# KiCad board plz actually have soldermask.kicad_pcb (continued)
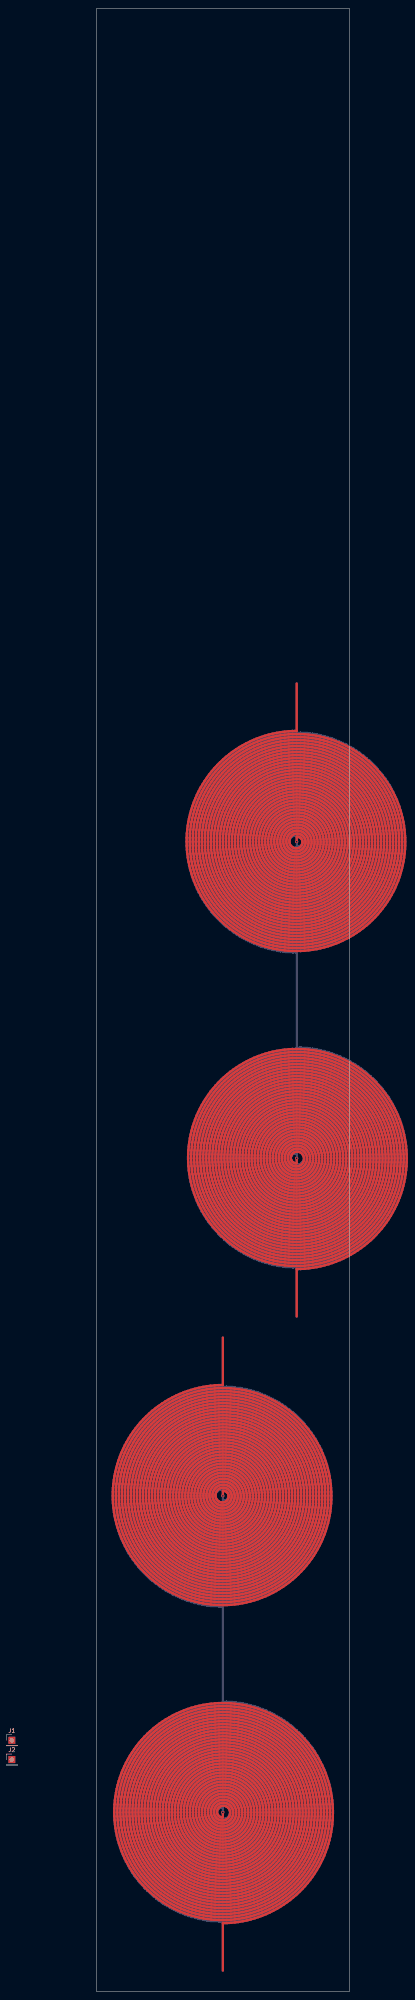
[diagram p0: board, top side]
## Routing (per net, layer and track width the routed paths; a pad name or vN(x,y) marks a point on that pad's centre or on a via; arc(x,y) is an arc through that point) (continued)
44.32,33.12 43.78,32.41 43.21,31.72 42.59,31.07 41.95,30.45 41.27,29.86 40.56,29.31 39.82,28.79 39.06,28.32 38.27,27.88 37.46,27.49 36.64,27.14 35.79,26.84 34.93,26.58 34.06,26.36 33.17,26.19 32.28,26.07 31.38,25.99 30.48,25.96 29.61,25.98 28.74,26.04 27.87,26.14 27.01,26.29 26.16,26.48 25.31,26.72 24.48,26.99 23.67,27.31 22.87,27.67 22.09,28.07 21.34,28.51 20.6,28.99 19.89,29.5 19.21,30.05 18.55,30.63 17.93,31.25 17.34,31.9 16.78,32.57 16.25,33.28 15.77,34.01 15.32,34.76 14.9,35.54 14.53,36.34 14.2,37.15 13.91,37.98 13.66,38.83 13.46,39.68 13.3,40.55 13.18,41.42 13.11,42.3 13.08,43.18 13.09,44.06 13.15,44.94 13.26,45.82 13.41,46.69 13.6,47.55 13.84,48.4 14.12,49.24 14.44,50.06 14.81,50.87 15.21,51.65 15.66,52.42 16.14,53.16 16.66,53.88 17.21,54.57 17.8,55.23 18.43,55.86 19.08,56.46 19.76,57.03 20.47,57.55 21.21,58.05 21.97,58.5 22.76,58.92 23.56,59.3 24.39,59.63 25.23,59.92 26.08,60.17 26.94,60.38 27.82,60.54 28.7,60.66 29.59,60.74 30.48,60.76 31.37,60.75 32.26,60.69 33.15,60.58 34.02,60.43 34.89,60.23 35.75,59.99 36.6,59.71 37.43,59.38 38.25,59.01 39.04,58.61 39.82,58.16 40.57,57.67 41.29,57.15 41.99,56.58 42.66,55.99 43.29,55.36 43.9,54.7 44.47,54.01 45,53.29 45.5,52.54 45.96,51.77 46.38,50.98 46.76,50.17 47.1,49.34 47.4,48.49 47.65,47.63 47.86,46.75 48.02,45.87 48.14,44.98 48.22,44.08 48.25,43.18 48.23,42.28 48.17,41.38 48.06,40.49 47.91,39.6 47.71,38.72 47.47,37.85 47.18,37 46.85,36.16 46.48,35.33 46.07,34.53 45.61,33.75 45.12,32.99 44.59,32.26 44.02,31.55 43.42,30.88 42.78,30.24 42.12,29.62 41.42,29.05 40.69,28.51 39.94,28 39.16,27.54 38.36,27.11 37.54,26.73 36.7,26.39 35.84,26.09 34.97,25.83 34.09,25.62 33.2,25.46 32.29,25.34 31.39,25.26 30.48,25.23 29.6,25.25 28.72,25.31 27.84,25.41 26.97,25.55 26.11,25.74 25.26,25.97 24.42,26.24 23.59,26.56 22.78,26.91 21.99,27.3 21.22,27.73 20.47,28.2 19.74,28.7 19.04,29.24 18.37,29.82 17.72,30.42 17.11,31.06 16.53,31.73 15.98,32.42 15.46,33.15 14.98,33.89 14.54,34.66 14.14,35.45 13.77,36.26 13.45,37.09 13.16,37.93 12.92,38.78 12.72,39.65 12.56,40.52 12.45,41.4 12.38,42.29 12.35,43.18 12.37,44.07 12.43,44.96 12.53,45.84 12.68,46.72 12.87,47.59 13.1,48.45 13.37,49.3 13.69,50.14 14.04,50.95 14.44,51.75 14.88,52.53 15.35,53.29 15.86,54.02 16.4,54.73 16.98,55.41 17.6,56.06 18.24,56.68 18.91,57.27 19.62,57.83 20.34,58.35 21.1,58.83 21.87,59.28 22.67,59.69 23.49,60.06 24.32,60.38 25.17,60.67 26.04,60.92 26.91,61.12 27.8,61.28 28.69,61.39 29.58,61.46 30.48,61.49 31.38,61.48 32.28,61.41 33.17,61.31 34.06,61.16 34.94,60.97 35.81,60.74 36.66,60.46 37.5,60.14 38.33,59.78 39.14,59.38 39.93,58.94 40.69,58.46 41.43,57.95 42.15,57.4 42.83,56.81 43.49,56.19 44.12,55.54 44.71,54.86 45.27,54.15 45.8,53.42 46.29,52.66 46.74,51.87 47.15,51.07 47.52,50.24 47.85,49.4 48.14,48.54 48.39,47.67 48.6,46.78 48.76,45.89 48.87,44.99 48.95,44.09 48.97,43.18 48.96,42.27 48.9,41.37 48.79,40.46 48.64,39.57 48.45,38.68 48.21,37.8 47.93,36.94 47.61,36.09 47.24,35.25 46.84,34.44 46.4,33.64 45.91,32.87 45.39,32.12 44.84,31.4 44.25,30.7 43.62,30.04 42.96,29.41 42.28,28.81 41.56,28.24 40.82,27.71 40.05,27.22 39.26,26.76 38.44,26.34 37.61,25.97 36.76,25.63 35.89,25.34 35.01,25.09 34.12,24.89 33.22,24.72 32.31,24.61 31.4,24.53 30.48,24.5 29.59,24.52 28.7,24.58 27.82,24.68 26.94,24.82 26.07,25 25.21,25.23 24.36,25.5 23.52,25.8 22.7,26.15 21.9,26.53 21.11,26.95 20.35,27.41 19.61,27.91 18.89,28.44 18.2,29 17.53,29.6 16.9,30.23 16.29,30.89 15.72,31.57 15.18,32.28 14.67,33.02 14.2,33.78 13.77,34.56 13.37,35.37 13.01,36.19 12.7,37.03 12.42,37.88 12.18,38.74 11.99,39.62 11.83,40.5 11.72,41.39 11.65,42.28 11.62,43.18 11.64,44.08 11.7,44.97 11.8,45.87 11.94,46.75 12.13,47.63 12.36,48.5 12.62,49.36 12.93,50.2 13.28,51.03 13.67,51.85 14.1,52.64 14.56,53.41 15.06,54.16 15.6,54.88 16.17,55.58 16.77,56.25 17.4,56.9 18.07,57.51 18.76,58.08 19.48,58.63 20.22,59.14 20.99,59.62 21.78,60.05 22.59,60.45 23.42,60.81 24.27,61.13 25.13,61.42 26,61.66 26.88,61.85 27.77,62.01 28.67,62.12 29.57,62.19 30.48,62.22 31.39,62.2 32.29,62.14 33.19,62.04 34.09,61.9 34.97,61.71 35.85,61.48 36.72,61.21 37.57,60.9 38.41,60.54 39.23,60.15 40.03,59.72 40.81,59.25 41.56,58.75 42.3,58.21 43,57.63 43.68,57.02 44.33,56.38 44.94,55.71 45.53,55.01 46.08,54.29 46.59,53.54 47.07,52.76 47.51,51.96 47.92,51.14 48.28,50.31 48.61,49.45 48.89,48.59 49.13,47.7 49.33,46.81 49.49,45.91 49.6,45.01 49.67,44.09 49.7,43.18 49.68,42.27 49.62,41.35 49.52,40.44 49.37,39.54 49.19,38.64 48.95,37.76 48.68,36.88 48.36,36.02 48.01,35.18 47.61,34.35 47.18,33.54 46.7,32.75 46.19,31.99 45.65,31.25 45.07,30.54 44.45,29.86 43.81,29.2 43.13,28.58 42.43,27.99 41.69,27.43 40.93,26.91 40.15,26.43 39.35,25.98 38.52,25.58 37.67,25.21 36.81,24.88 35.94,24.6 35.05,24.35 34.15,24.15 33.24,23.99 32.32,23.88 31.4,23.81 30.48,23.78 29.58,23.79 28.69,23.85 27.8,23.95 26.91,24.09 26.03,24.27 25.16,24.49 24.3,24.75 23.46,25.05 22.62,25.39 21.81,25.76 21.01,26.18 20.23,26.63 19.48,27.12 18.74,27.64 18.03,28.19 17.35,28.78 16.7,29.4 16.07,30.04 15.48,30.72 14.91,31.42 14.38,32.15 13.88,32.9 13.42,33.68 13,34.47 12.61,35.29 12.26,36.12 11.95,36.97 11.67,37.83 11.44,38.7 11.25,39.59 11.1,40.48 10.99,41.37 10.92,42.28 10.9,43.18 10.91,44.08 10.97,44.99 11.07,45.89 11.21,46.78 11.39,47.67 11.61,48.55 11.88,49.42 12.18,50.27 12.52,51.11 12.9,51.93 13.32,52.74 13.78,53.52 14.27,54.29 14.79,55.03 15.35,55.74 15.94,56.43 16.57,57.09 17.22,57.72 17.9,58.32 18.61,58.89 19.35,59.43 20.11,59.93 20.89,60.4 21.69,60.83 22.52,61.22 23.36,61.57 24.21,61.89 25.08,62.16 25.96,62.39 26.85,62.59 27.75,62.74 28.66,62.85 29.57,62.92 30.48,62.95 31.39,62.93 32.3,62.87 33.21,62.77 34.12,62.63 35.01,62.45 35.9,62.22 36.77,61.96 37.64,61.65 38.48,61.31 39.31,60.92 40.13,60.5 40.92,60.04 41.69,59.54 42.44,59.01 43.16,58.45 43.85,57.85 44.52,57.22 45.16,56.56 45.76,55.87 46.34,55.16 46.88,54.41 47.38,53.65 47.85,52.86 48.29,52.05 48.68,51.22 49.04,50.37 49.36,49.51 49.63,48.63 49.87,47.74 50.07,46.84 50.22,45.93 50.33,45.02 50.4,44.1 50.43,43.18 50.41,42.26 50.35,41.34 50.25,40.42 50.11,39.51 49.92,38.61 49.7,37.71 49.43,36.83 49.12,35.96 48.77,35.1 48.38,34.26 47.96,33.44 47.49,32.65 46.99,31.87 46.46,31.11 45.89,30.39 45.28,29.68 44.65,29.01 43.98,28.37 43.29,27.76 42.57,27.18 41.82,26.63 41.04,26.12 40.25,25.65 39.43,25.21 38.59,24.81 37.74,24.45 36.86,24.13 35.98,23.85 35.08,23.61 34.17,23.41 33.26,23.26 32.34,23.15 31.41,23.08 30.48,23.05 29.58,23.07 28.67,23.12 27.78,23.22 26.88,23.35 26,23.53 25.12,23.75 24.25,24 23.39,24.3 22.55,24.63 21.72,25 20.91,25.4 20.12,25.85 19.35,26.32 18.61,26.84 17.88,27.38 17.18,27.96 16.51,28.57 15.86,29.21 15.25,29.87 14.66,30.57 14.11,31.28 13.59,32.03 13.1,32.79 12.64,33.58 12.23,34.39 11.85,35.22 11.5,36.06 11.2,36.91 10.93,37.78 10.7,38.67 10.52,39.56 10.37,40.46 10.26,41.36 10.19,42.27 10.17,43.18 10.18,44.09 10.24,45 10.34,45.91 10.48,46.81 10.65,47.71 10.87,48.59 11.13,49.47 11.43,50.33 11.76,51.18 12.13,52.02 12.54,52.83 12.99,53.63 13.47,54.41 13.99,55.16 14.54,55.89 15.12,56.6 15.74,57.28 16.38,57.93 17.05,58.55 17.75,59.14 18.48,59.7 19.23,60.23 20,60.72 20.8,61.18 21.61,61.6 22.44,61.98 23.29,62.33 24.16,62.63 25.04,62.9 25.93,63.13 26.82,63.32 27.73,63.47 28.64,63.58 29.56,63.65 30.48,63.67 31.4,63.66 32.32,63.6 33.23,63.5 34.14,63.36 35.05,63.18 35.94,62.96 36.82,62.7 37.7,62.4 38.55,62.07 39.39,61.69 40.22,61.28 41.02,60.83 41.81,60.34 42.57,59.82 43.31,59.26 44.02,58.67 44.7,58.06 45.36,57.41 45.99,56.73 46.58,56.02 47.15,55.29 47.68,54.53 48.17,53.75 48.64,52.95 49.06,52.13 49.45,51.29 49.8,50.43 50.11,49.56 50.38,48.67 50.61,47.77 50.8,46.87 50.95,45.95 51.06,45.03 51.13,44.11 51.15,43.18 51.14,42.25 51.08,41.33 50.98,40.4 50.84,39.48 50.66,38.57 50.44,37.67 50.18,36.78 49.87,35.9 49.53,35.04 49.15,34.19 48.74,33.36 48.28,32.54 47.79,31.75 47.26,30.99 46.7,30.24 46.11,29.52 45.49,28.83 44.83,28.17 44.15,27.54 43.43,26.94 42.7,26.37 41.93,25.83 41.15,25.33 40.34,24.86 39.51,24.44 38.66,24.05 37.79,23.69 36.91,23.38 36.02,23.11 35.12,22.87 34.2,22.68 33.28,22.53 32.35,22.42 31.42,22.35 30.48,22.32 29.57,22.34 28.66,22.39 27.76,22.49 26.85,22.62 25.96,22.79 25.07,23.01 24.2,23.26 23.33,23.54 22.48,23.87 21.64,24.23 20.82,24.63 20.02,25.07 19.24,25.53 18.48,26.04 17.74,26.57 17.02,27.14 16.33,27.74 15.67,28.37 15.03,29.03 14.43,29.71 13.85,30.42 13.3,31.15 12.79,31.91 12.31,32.69 11.87,33.49 11.46,34.31 11.09,35.15 10.75,36 10.45,36.86 10.19,37.74 9.97,38.63 9.78,39.53 9.64,40.44 9.53,41.35 9.47,42.26 9.44,43.18 9.46,44.1 9.51,45.01 9.61,45.93 9.74,46.84 9.92,47.74 10.13,48.63 10.38,49.52 10.67,50.39 11,51.25 11.37,52.09 11.77,52.92 12.21,53.73 12.68,54.52 13.19,55.29 13.73,56.03 14.3,56.75 14.91,57.45 15.54,58.12 16.2,58.76 16.89,59.37 17.61,59.95 18.35,60.5 19.11,61.02 19.9,61.5 20.71,61.95 21.53,62.37 22.38,62.74 23.24,63.08 24.11,63.38 25,63.65 25.89,63.87 26.8,64.06 27.71,64.2 28.63,64.31 29.55,64.37 30.48,64.4 31.41,64.38 32.33,64.33 33.25,64.23 34.17,64.1 35.08,63.92 35.98,63.71 36.87,63.45 37.75,63.16 38.62,62.83 39.47,62.46 40.3,62.05 41.12,61.61 41.92,61.13 42.69,60.62 43.44,60.07 44.17,59.5 44.87,58.89 45.55,58.25 46.2,57.58 46.81,56.88 47.4,56.16 47.95,55.41 48.47,54.64 48.96,53.85 49.41,53.04 49.83,52.2 50.21,51.35 50.55,50.49 50.86,49.6 51.12,48.71 51.35,47.81 51.54,46.89 51.68,45.97 51.79,45.04 51.86,44.11 51.88,43.18 51.87,42.25 51.81,41.31 51.71,40.38 51.58,39.46 51.4,38.54 51.18,37.63 50.92,36.73 50.63,35.85 50.29,34.97 49.92,34.11 49.51,33.27 49.07,32.45 48.58,31.65 48.07,30.86 47.52,30.11 46.94,29.37 46.32,28.66 45.68,27.98 45,27.33 44.3,26.71 43.57,26.12 42.82,25.56 42.04,25.03 41.24,24.54 40.42,24.08 39.58,23.66 38.72,23.28 37.85,22.94 36.96,22.63 36.06,22.36 35.15,22.13 34.22,21.94 33.3,21.8 32.36,21.69 31.42,21.62 30.48,21.6 29.56,21.61 28.65,21.66 27.74,21.76 26.83,21.89 25.93,22.06 25.03,22.26 24.15,22.51 23.28,22.79 22.42,23.11 21.57,23.47 20.74,23.86 19.93,24.29 19.13,24.75 18.36,25.24 17.6,25.77 16.87,26.33 16.17,26.92 15.48,27.53 14.83,28.18 14.2,28.86 13.61,29.56 13.04,30.28 12.5,31.03 12,31.8 11.53,32.59 11.09,33.41 10.69,34.24 10.33,35.08 10,35.94 9.7,36.82 9.45,37.7 9.23,38.6 9.05,39.51 8.91,40.42 8.8,41.34 8.74,42.26 8.72,43.18 8.73,44.1 8.78,45.03 8.88,45.95 9.01,46.86 9.18,47.77 9.39,48.67 9.64,49.56 9.92,50.44 10.24,51.31 10.6,52.17 11,53 11.43,53.82 11.89,54.62 12.39,55.41 12.92,56.17 13.49,56.9 14.08,57.61 14.7,58.3 15.36,58.96 16.04,59.59 16.74,60.19 17.47,60.77 18.23,61.31 19.01,61.81 19.81,62.29 20.62,62.73 21.46,63.13 22.31,63.5 23.18,63.84 24.06,64.13 24.96,64.39 25.86,64.61 26.77,64.79 27.69,64.93 28.62,65.04 29.55,65.1 30.48,65.13 31.41,65.11 32.34,65.06 33.27,64.96 34.19,64.83 35.11,64.66 36.02,64.45 36.92,64.2 37.8,63.91 38.68,63.58 39.54,63.22 40.38,62.82 41.21,62.39 42.02,61.92 42.81,61.42 43.57,60.88 44.32,60.32 45.03,59.72 45.73,59.09 46.39,58.43 47.03,57.74 47.64,57.03 48.21,56.29 48.76,55.53 49.27,54.75 49.75,53.94 50.19,53.12 50.6,52.27 50.97,51.41 51.31,50.54 51.61,49.65 51.87,48.75 52.09,47.84 52.27,46.92 52.41,45.99 52.52,45.06 52.58,44.12 52.61,43.18 52.59,42.24 52.54,41.3 52.44,40.37 52.31,39.44 52.14,38.51 51.92,37.6 51.67,36.69 51.38,35.8 51.05,34.91 50.69,34.05 50.29,33.19 49.85,32.36 49.38,31.54 48.87,30.75 48.33,29.98 47.76,29.23 47.15,28.51 46.52,27.81 45.86,27.14 45.16,26.5 44.45,25.88 43.7,25.3 42.93,24.75 42.14,24.24 41.33,23.75 40.5,23.31 39.65,22.9 38.78,22.52 37.9,22.18 37,21.88 36.09,21.62 35.18,21.39 34.25,21.21 33.31,21.07 32.37,20.96 31.43,20.9 30.48,20.87 29.56,20.88 28.64,20.94 27.72,21.03 26.8,21.16 25.9,21.32 25,21.52 24.1,21.77 23.22,22.04 22.35,22.36 21.5,22.71 20.66,23.09 19.83,23.51 19.03,23.96 18.24,24.45 17.47,24.96 16.73,25.51 16.01,26.09 15.31,26.7 14.64,27.34 14,28.01 13.38,28.7 12.79,29.41 12.23,30.15 11.71,30.91 11.21,31.7 10.75,32.5 10.32,33.32 9.93,34.16 9.57,35.02 9.24,35.89 8.96,36.77 8.7,37.67 8.49,38.57 8.31,39.48 8.18,40.4 8.07,41.32 8.01,42.25 7.99,43.18 8,44.11 8.06,45.04 8.15,45.96 8.28,46.89 8.44,47.8 8.65,48.71 8.89,49.61 9.17,50.5 9.49,51.37 9.84,52.23 10.23,53.08 10.65,53.91 11.1,54.73 11.59,55.52 12.12,56.29 12.67,57.04 13.25,57.77 13.87,58.47 14.51,59.15 15.18,59.8 15.88,60.42 16.6,61.01 17.35,61.57 18.12,62.11 18.91,62.6 19.72,63.07 20.54,63.5 21.39,63.9 22.25,64.26 23.13,64.59 24.02,64.88 24.92,65.13 25.83,65.35 26.75,65.53 27.68,65.67 28.61,65.77 29.54,65.83 30.48,65.85 31.42,65.84 32.35,65.79 33.29,65.69 34.22,65.56 35.14,65.39 36.05,65.19 36.96,64.94 37.85,64.66 38.74,64.34 39.61,63.99 40.46,63.6 41.3,63.17 42.12,62.71 42.92,62.22 43.7,61.69 44.45,61.13 45.19,60.54 45.89,59.92 46.58,59.28 47.23,58.6 47.86,57.9 48.46,57.17 49.02,56.42 49.56,55.64 50.06,54.85 50.53,54.03 50.97,53.19 51.37,52.34 51.73,51.47 52.06,50.59 52.35,49.69 52.61,48.78 52.83,47.87 53,46.94 53.15,46.01 53.25,45.07 53.31,44.12 53.34,43.18 53.32,42.24 53.27,41.29 53.17,40.35 53.04,39.42 52.87,38.48 52.66,37.56 52.42,36.65 52.13,35.75 51.81,34.86 51.45,33.98 51.06,33.12 50.63,32.27 50.17,31.45 49.67,30.64 49.14,29.86 48.58,29.1 47.98,28.36 47.36,27.64 46.71,26.95 46.02,26.29 45.32,25.66 44.58,25.06 43.82,24.49 43.04,23.95 42.24,23.44 41.42,22.97 40.57,22.53 39.71,22.13 38.84,21.76 37.95,21.43 37.04,21.13 36.13,20.88 35.2,20.66 34.27,20.48 33.33,20.33 32.38,20.23 31.43,20.17 30.48,20.14 29.55,20.16 28.63,20.21 27.7,20.3 26.78,20.42 25.87,20.59 24.96,20.79 24.06,21.02 23.17,21.29 22.3,21.6 21.43,21.94 20.58,22.32 19.75,22.73 18.93,23.18 18.13,23.65 17.35,24.16 16.6,24.7 15.86,25.27 15.15,25.87 14.46,26.5 13.8,27.16 13.16,27.84 12.56,28.55 11.98,29.28 11.43,30.03 10.91,30.81 10.42,31.6 9.97,32.42 9.55,33.25 9.16,34.1 8.81,34.96 8.49,35.84 8.21,36.73 7.96,37.63 7.75,38.54 7.58,39.46 7.44,40.38 7.35,41.31 7.28,42.25 7.26,43.18 7.28,44.12 7.33,45.05 7.42,45.98 7.54,46.91 7.71,47.83 7.91,48.74 8.15,49.65 8.42,50.54 8.73,51.43 9.08,52.3 9.46,53.16 9.87,54 10.32,54.82 10.8,55.62 11.31,56.41 11.86,57.17 12.43,57.91 13.04,58.63 13.67,59.33 14.33,59.99 15.02,60.63 15.73,61.24 16.47,61.83 17.23,62.38 18.01,62.9 18.81,63.39 19.63,63.85 20.47,64.27 21.33,64.67 22.2,65.02 23.08,65.34 23.98,65.63 24.89,65.87 25.8,66.08 26.73,66.26 27.66,66.4 28.6,66.5 29.54,66.56 30.48,66.58 31.42,66.57 32.36,66.51 33.3,66.42 34.24,66.3 35.17,66.13 36.09,65.93 37,65.69 37.9,65.41 38.79,65.1 39.67,64.75 40.53,64.37 41.38,63.95 42.21,63.5 43.02,63.01 43.81,62.5 44.58,61.95 45.33,61.37 46.05,60.76 46.75,60.12 47.42,59.45 48.07,58.76 48.69,58.04 49.27,57.3 49.83,56.54 50.36,55.75 50.85,54.94 51.31,54.11 51.74,53.27 52.13,52.41 52.49,51.53 52.81,50.64 53.1,49.73 53.35,48.82 53.56,47.89 53.74,46.96 53.88,46.02 53.98,45.08 54.04,44.13 54.06,43.18 54.05,42.23 54,41.28 53.9,40.34 53.78,39.39 53.61,38.46 53.4,37.53 53.16,36.61 52.88,35.7 52.57,34.8 52.22,33.92 51.83,33.05 51.41,32.19 50.96,31.36 50.47,30.54 49.95,29.74 49.39,28.97 48.81,28.22 48.19,27.49 47.55,26.78 46.88,26.11 46.18,25.46 45.46,24.83 44.71,24.24 43.94,23.68 43.15,23.15 42.33,22.65 41.5,22.19 40.65,21.76 39.78,21.36 38.89,21 37.99,20.67 37.08,20.39 36.16,20.13 35.23,19.92 34.29,19.74 33.34,19.6 32.39,19.5 31.44,19.44 30.48,19.42 29.55,19.43 28.61,19.48 27.69,19.57 26.76,19.69 25.84,19.85 24.93,20.05 24.02,20.28 23.13,20.54 22.24,20.85 21.37,21.18 20.51,21.55 19.67,21.96 18.84,22.39 18.03,22.86 17.24,23.36 16.47,23.9 15.72,24.46 14.99,25.05 14.29,25.67 13.61,26.31 12.96,26.98 12.33,27.68 11.74,28.4 11.17,29.15 10.63,29.91 10.12,30.7 9.64,31.51 9.19,32.33 8.78,33.18 8.4,34.03 8.05,34.91 7.74,35.79 7.46,36.69 7.22,37.6 7.02,38.51 6.85,39.44 6.71,40.37 6.62,41.3 6.56,42.24 6.53,43.18 6.55,44.12 6.6,45.06 6.69,46 6.81,46.93 6.97,47.86 7.17,48.78 7.4,49.69 7.67,50.59 7.98,51.48 8.32,52.36 8.69,53.23 9.1,54.08 9.54,54.91 10.01,55.72 10.51,56.52 11.05,57.3 11.61,58.05 12.21,58.78 12.83,59.49 13.48,60.18 14.16,60.83 14.86,61.46 15.59,62.07 16.34,62.64 17.11,63.18 17.91,63.7 18.72,64.18 19.55,64.63 20.4,65.05 21.26,65.43 22.14,65.78 23.04,66.09 23.94,66.37 24.85,66.61 25.78,66.82 26.71,66.99 27.65,67.13 28.59,67.22 29.53,67.28 30.48,67.31 31.43,67.29 32.37,67.24 33.32,67.15 34.26,67.03 35.19,66.87 36.12,66.67 37.04,66.43 37.95,66.16 38.85,65.85 39.73,65.51 40.6,65.14 41.46,64.73 42.3,64.28 43.12,63.81 43.92,63.3 44.7,62.76 45.47,62.19 46.2,61.59 46.92,60.96 47.6,60.3 48.27,59.62 48.9,58.91 49.51,58.18 50.09,57.43 50.64,56.65 51.15,55.85 51.64,55.03 52.09,54.19 52.51,53.34 52.9,52.47 53.25,51.58 53.56,50.68 53.85,49.77 54.09,48.85 54.3,47.92 54.47,46.98 54.61,46.04 54.71,45.09 54.77,44.13 54.79,43.18 54.78,42.23 54.72,41.27 54.63,40.32 54.51,39.37 54.34,38.43 54.14,37.5 53.91,36.57 53.63,35.66 53.33,34.75 52.98,33.86 52.6,32.98 52.19,32.12 51.74,31.27 51.26,30.45 50.75,29.64 50.21,28.85 49.63,28.08 49.03,27.34 48.39,26.62 47.73,25.93 47.05,25.26 46.33,24.62 45.59,24.01 44.83,23.43 44.05,22.87 43.24,22.35 42.42,21.86 41.57,21.41 40.71,20.98 39.83,20.6 38.94,20.24 38.04,19.92 37.12,19.64 36.19,19.39 35.25,19.18 34.31,19.01 33.36,18.87 32.4,18.77 31.44,18.71 30.48,18.69 29.54,18.7 28.6,18.75 27.67,18.84 26.74,18.96 25.81,19.12 24.89,19.31 23.98,19.53 23.08,19.8 22.19,20.09 21.31,20.42 20.44,20.79 19.59,21.18 18.75,21.61 17.93,22.07 17.13,22.57 16.35,23.09 15.59,23.64 14.85,24.22 14.13,24.83 13.44,25.47 12.77,26.13 12.12,26.82 11.51,27.53 10.92,28.27 10.36,29.03 9.83,29.8 9.33,30.6 8.86,31.42 8.42,32.26 8.01,33.11 7.64,33.97 7.3,34.85 6.99,35.75 6.72,36.65 6.48,37.56 6.28,38.49 6.11,39.42 5.98,40.35 5.89,41.29 5.83,42.24 5.81,43.18 5.82,44.13 5.87,45.07 5.96,46.01 6.08,46.95 6.24,47.88 6.43,48.81 6.66,49.73 6.92,50.63 7.22,51.53 7.55,52.42 7.92,53.29 8.32,54.15 8.75,54.99 9.22,55.82 9.71,56.63 10.24,57.42 10.8,58.18 11.38,58.93 12,59.65 12.64,60.35 13.31,61.02 14,61.67 14.72,62.29 15.46,62.89 16.22,63.45 17.01,63.99 17.81,64.49 18.63,64.96 19.48,65.41 20.33,65.82 21.21,66.19 22.09,66.53 22.99,66.84 23.9,67.12 24.82,67.35 25.75,67.56 26.69,67.73 27.63,67.86 28.58,67.95 29.53,68.01 30.48,68.03 31.43,68.02 32.38,67.97 33.33,67.88 34.28,67.76 35.22,67.6 36.15,67.41 37.07,67.18 37.99,66.91 38.89,66.61 39.79,66.27 40.67,65.9 41.53,65.5 42.38,65.07 43.21,64.6 44.03,64.1 44.82,63.57 45.59,63.01 46.34,62.42 47.07,61.8 47.78,61.15 48.46,60.48 49.11,59.78 49.73,59.06 50.33,58.31 50.9,57.54 51.44,56.75 51.95,55.94 52.42,55.11 52.87,54.27 53.28,53.4 53.66,52.52 54.01,51.63 54.32,50.72 54.59,49.81 54.83,48.88 55.04,47.94 55.21,47 55.34,46.05 55.43,45.1 55.49,44.14 55.52,43.18 55.5,42.22 55.45,41.26 55.36,40.31 55.24,39.36 55.08,38.41 54.88,37.47 54.65,36.54 54.38,35.62 54.08,34.7 53.74,33.8 53.37,32.92 52.96,32.05 52.53,31.19 52.05,30.35 51.55,29.53 51.02,28.74 50.45,27.96 49.86,27.2 49.23,26.47 48.58,25.76 47.91,25.07 47.2,24.42 46.47,23.79 45.72,23.18 44.95,22.61 44.15,22.07 43.34,21.56 42.5,21.08 41.65,20.63 40.78,20.21 39.89,19.83 38.99,19.48 38.08,19.17 37.15,18.89 36.22,18.65 35.28,18.45 34.33,18.28 33.37,18.14 32.41,18.04 31.45,17.98 30.48,17.96 29.54,17.98 28.59,18.02 27.66,18.11 26.72,18.23 25.79,18.38 24.86,18.57 23.95,18.79 23.04,19.05 22.14,19.34 21.25,19.66 20.38,20.02 19.52,20.41 18.67,20.83 17.84,21.29 17.03,21.77 16.24,22.29 15.46,22.83 14.71,23.4 13.98,24 13.27,24.63 12.58,25.28 11.92,25.96 11.29,26.67 10.68,27.39 10.1,28.14 9.55,28.91 9.03,29.7 8.54,30.51 8.07,31.34 7.64,32.18 7.24,33.04 6.88,33.92 6.54,34.8 6.24,35.7 5.97,36.61 5.74,37.53 5.54,38.46 5.38,39.4 5.25,40.34 5.16,41.28 5.1,42.23 5.08,43.18 5.09,44.13 5.14,45.08 5.23,46.03 5.35,46.97 5.5,47.91 5.69,48.84 5.92,49.76 6.18,50.68 6.47,51.58 6.8,52.48 7.16,53.36 7.55,54.22 7.97,55.07 8.43,55.91 8.92,56.73 9.44,57.53 9.98,58.31 10.56,59.07 11.17,59.8 11.8,60.52 12.46,61.2 13.14,61.87 13.85,62.51 14.58,63.12 15.33,63.7 16.11,64.26 16.9,64.79 17.72,65.28 18.55,65.75 19.4,66.18 20.27,66.58 21.15,66.95 22.04,67.29 22.95,67.59 23.87,67.86 24.79,68.09 25.73,68.29 26.67,68.46 27.62,68.59 28.57,68.68 29.52,68.74 30.48,68.76 31.44,68.75 32.39,68.7 33.35,68.61 34.3,68.49 35.24,68.34 36.18,68.15 37.11,67.92 38.03,67.66 38.94,67.36 39.84,67.03 40.73,66.67 41.6,66.27 42.46,65.85 43.3,65.39 44.12,64.9 44.93,64.37 45.71,63.82 46.48,63.24 47.22,62.63 47.94,62 48.63,61.33 49.3,60.64 49.95,59.93 50.56,59.19 51.15,58.44 51.71,57.65 52.24,56.85 52.74,56.03 53.21,55.19 53.65,54.34 54.05,53.46 54.42,52.58 54.76,51.68 55.07,50.76 55.34,49.84 55.57,48.91 55.77,47.97 55.94,47.02 56.07,46.06 56.16,45.1 56.22,44.14 56.24,43.18 56.23,42.22 56.18,41.25 56.09,40.29 55.97,39.34 55.82,38.39 55.62,37.44 55.39,36.5 55.13,35.58 54.83,34.66 54.5,33.75 54.14,32.86 53.74,31.98 53.31,31.12 52.84,30.27 52.35,29.44 51.82,28.63 51.27,27.84 50.68,27.07 50.07,26.32 49.43,25.6 48.76,24.9 48.07,24.22 47.35,23.58 46.61,22.96 45.84,22.36 45.06,21.8 44.25,21.27 43.42,20.76 42.58,20.29 41.71,19.85 40.84,19.44 39.94,19.07 39.04,18.73 38.12,18.42 37.19,18.15 36.25,17.91 35.3,17.71 34.34,17.54 33.38,17.41 32.42,17.32 31.45,17.26 30.48,17.23 29.53,17.25 28.59,17.3 27.64,17.38 26.7,17.49 25.76,17.65 24.83,17.83 23.91,18.05 23,18.3 22.09,18.59 21.2,18.91 20.31,19.26 19.45,19.64 18.59,20.06 17.75,20.5 16.93,20.98 16.13,21.49 15.34,22.02 14.58,22.58 13.83,23.18 13.11,23.79 12.41,24.44 11.74,25.11 11.08,25.8 10.46,26.52 9.86,27.26 9.29,28.02 8.75,28.8 8.23,29.6 7.75,30.42 7.29,31.26 6.87,32.11 6.48,32.98 6.12,33.86 5.79,34.76 5.49,35.66 5.23,36.58 5,37.5 4.81,38.44 4.65,39.38 4.52,40.32 4.43,41.27 4.37,42.23 4.35,43.18 4.37,44.13 4.41,45.09 4.5,46.04 4.61,46.99 4.77,47.93 4.95,48.87 5.17,49.8 5.43,50.72 5.72,51.63 6.04,52.53 6.39,53.42 6.78,54.29 7.2,55.15 7.64,56 8.12,56.82 8.63,57.63 9.17,58.42 9.74,59.19 10.34,59.94 10.96,60.67 11.61,61.38 12.28,62.06 12.98,62.71 13.7,63.34 14.45,63.94 15.21,64.52 16,65.06 16.81,65.58 17.63,66.07 18.48,66.53 19.33,66.96 20.21,67.35 21.1,67.71 22,68.04 22.91,68.34 23.83,68.6 24.77,68.83 25.71,69.03 26.65,69.19 27.6,69.32 28.56,69.41 29.52,69.47 30.48,69.49 31.44,69.48 32.4,69.43 33.36,69.34 34.31,69.22 35.26,69.07 36.21,68.88 37.14,68.66 38.07,68.41 38.99,68.12 39.89,67.79 40.79,67.44 41.67,67.05 42.53,66.63 43.38,66.17 44.22,65.69 45.03,65.18 45.83,64.63 46.61,64.06 47.36,63.46 48.09,62.84 48.8,62.18 49.49,61.5 50.15,60.8 50.78,60.07 51.39,59.32 51.97,58.55 52.52,57.76 53.04,56.95 53.53,56.12 53.99,55.27 54.42,54.4 54.82,53.52 55.18,52.63 55.52,51.72 55.81,50.8 56.08,49.87 56.31,48.93 56.51,47.99 56.67,47.03 56.8,46.08 56.89,45.11 56.95,44.15 56.97,43.18 56.96,42.21 56.91,41.25 56.82,40.28 56.7,39.32 56.55,38.36 56.36,37.41 56.14,36.47 55.88,35.54 55.59,34.61 55.26,33.7 54.9,32.8 54.51,31.91 54.09,31.04 53.63,30.19 53.15,29.35 52.63,28.53 52.08,27.72 51.51,26.94 50.9,26.18 50.27,25.45 49.61,24.73 48.93,24.04 48.22,23.38 47.49,22.74 46.73,22.13 45.96,21.55 45.16,20.99 44.34,20.47 43.5,19.97 42.65,19.51 41.78,19.08 40.89,18.68 39.99,18.31 39.08,17.97 38.15,17.67 37.22,17.4 36.27,17.17 35.32,16.97 34.36,16.81 33.4,16.68 32.43,16.59 31.45,16.53 30.48,16.51 30.48,5.08 ; v1(30.48,119.38) 30.48,120.61 30.7,120.61 30.91,120.57 31.12,120.5 31.32,120.38 31.5,120.23 31.65,120.05 31.77,119.85 31.85,119.62 31.89,119.38 31.89,119.13 31.84,118.88 31.75,118.65 31.62,118.42 31.45,118.22 31.24,118.06 31.01,117.92 30.75,117.83 30.48,117.79 30.2,117.79 29.92,117.85 29.65,117.95 29.41,118.1 29.18,118.29 29,118.52 28.85,118.79 28.75,119.08 28.71,119.38 28.71,119.69 28.78,120 28.89,120.3 29.06,120.57 29.28,120.81 29.53,121.02 29.83,121.18 30.14,121.28 30.48,121.33 30.79,121.33 31.1,121.27 31.39,121.17 31.67,121.02 31.93,120.83 32.15,120.59 32.33,120.32 32.48,120.03 32.57,119.71 32.62,119.38 32.61,119.04 32.55,118.71 32.43,118.39 32.27,118.08 32.05,117.81 31.8,117.56 31.51,117.36 31.18,117.21 30.84,117.11 30.48,117.06 30.11,117.07 29.75,117.14 29.4,117.27 29.08,117.45 28.78,117.68 28.52,117.95 28.3,118.27 28.14,118.62 28.03,118.99 27.98,119.38 27.99,119.77 28.07,120.16 28.2,120.54 28.4,120.89 28.65,121.21 28.95,121.49 29.29,121.72 29.66,121.9 30.06,122.01 30.48,122.06 30.86,122.05 31.24,121.98 31.61,121.86 31.97,121.69 32.29,121.47 32.58,121.2 32.83,120.89 33.04,120.55 33.2,120.18 33.3,119.79 33.34,119.38 33.33,118.97 33.26,118.56 33.13,118.17 32.94,117.8 32.71,117.45 32.42,117.14 32.09,116.87 31.72,116.66 31.33,116.49 30.91,116.38 30.48,116.34 30.04,116.35 29.61,116.43 29.19,116.57 28.8,116.76 28.43,117.02 28.1,117.32 27.82,117.67 27.59,118.06 27.42,118.48 27.3,118.92 27.25,119.38 27.27,119.84 27.35,120.3 27.5,120.74 27.71,121.16 27.98,121.55 28.3,121.89 28.67,122.19 29.08,122.43 29.53,122.62 30,122.74 30.48,122.79 30.93,122.77 31.37,122.7 31.8,122.57 32.21,122.38 32.6,122.14 32.95,121.85 33.27,121.52 33.54,121.14 33.75,120.74 33.92,120.3 34.02,119.85 34.07,119.38 34.05,118.91 33.98,118.44 33.84,117.99 33.64,117.55 33.39,117.15 33.08,116.78 32.73,116.45 32.34,116.17 31.91,115.94 31.45,115.77 30.97,115.66 30.48,115.61 29.99,115.63 29.5,115.71 29.02,115.85 28.56,116.06 28.14,116.33 27.75,116.65 27.4,117.02 27.11,117.43 26.87,117.88 26.69,118.36 26.58,118.87 26.53,119.38 26.55,119.9 26.63,120.41 26.79,120.91 27,121.39 27.28,121.83 27.62,122.24 28.01,122.6 28.44,122.91 28.91,123.16 29.42,123.34 29.94,123.46 30.48,123.52 30.98,123.5 31.48,123.42 31.96,123.29 32.43,123.09 32.87,122.84 33.28,122.54 33.65,122.19 33.98,121.79 34.25,121.36 34.48,120.9 34.64,120.41 34.75,119.9 34.8,119.38 34.78,118.86 34.7,118.34 34.56,117.83 34.35,117.35 34.09,116.89 33.77,116.46 33.41,116.08 33,115.74 32.54,115.45 32.06,115.21 31.55,115.04 31.02,114.93 30.48,114.88 29.94,114.9 29.4,114.99 28.87,115.13 28.36,115.35 27.88,115.62 27.44,115.95 27.04,116.33 26.69,116.76 26.39,117.23 26.14,117.74 25.96,118.27 25.85,118.82 25.8,119.38 25.82,119.95 25.91,120.51 26.06,121.05 26.29,121.58 26.57,122.08 26.91,122.54 27.31,122.96 27.76,123.32 28.25,123.64 28.77,123.89 29.32,124.07 29.9,124.19 30.48,124.24 31.03,124.22 31.57,124.15 32.1,124.01 32.61,123.81 33.1,123.55 33.56,123.24 33.98,122.88 34.36,122.48 34.7,122.03 34.98,121.55 35.2,121.03 35.37,120.5 35.48,119.94 35.52,119.38 35.5,118.81 35.42,118.25 35.28,117.7 35.07,117.17 34.81,116.66 34.48,116.19 34.11,115.75 33.69,115.36 33.23,115.01 32.72,114.72 32.19,114.48 31.64,114.31 31.06,114.2 30.48,114.15 29.89,114.17 29.31,114.26 28.74,114.41 28.19,114.63 27.67,114.9 27.17,115.23 26.72,115.62 26.31,116.06 25.96,116.54 25.66,117.06 25.41,117.61 25.23,118.18 25.12,118.78 25.07,119.38 25.09,119.99 25.18,120.59 25.34,121.18 25.56,121.75 25.85,122.29 26.19,122.8 26.59,123.27 27.04,123.69 27.54,124.06 28.08,124.37 28.65,124.62 29.24,124.8 29.86,124.92 30.48,124.97 31.07,124.95 31.65,124.87 32.22,124.73 32.77,124.53 33.3,124.27 33.81,123.96 34.28,123.6 34.71,123.18 35.09,122.73 35.43,122.24 35.71,121.71 35.93,121.15 36.1,120.57 36.21,119.98 36.25,119.38 36.23,118.78 36.15,118.18 36,117.59 35.8,117.01 35.53,116.46 35.21,115.95 34.83,115.46 34.41,115.02 33.94,114.62 33.43,114.28 32.88,113.99 32.31,113.75 31.71,113.58 31.1,113.47 30.48,113.43 29.86,113.45 29.24,113.53 28.63,113.68 28.04,113.9 27.47,114.17 26.94,114.51 26.44,114.89 25.98,115.33 25.58,115.82 25.22,116.34 24.92,116.9 24.68,117.5 24.5,118.11 24.39,118.74 24.35,119.38 24.37,120.02 24.46,120.66 24.61,121.29 24.83,121.89 25.12,122.48 25.46,123.03 25.86,123.54 26.31,124.01 26.81,124.43 27.35,124.8 27.93,125.11 28.54,125.35 29.17,125.53 29.82,125.65 30.48,125.7 31.1,125.68 31.72,125.6 32.32,125.46 32.91,125.26 33.48,125 34.03,124.69 34.54,124.32 35.01,123.91 35.44,123.45 35.83,122.95 36.16,122.42 36.44,121.85 36.67,121.26 36.83,120.64 36.94,120.02 36.98,119.38 36.96,118.74 36.88,118.11 36.73,117.48 36.53,116.88 36.26,116.29 35.94,115.73 35.56,115.21 35.14,114.72 34.67,114.28 34.15,113.88 33.6,113.54 33.02,113.25 32.41,113.02 31.78,112.85 31.13,112.74 30.48,112.7 29.82,112.72 29.17,112.81 28.53,112.96 27.91,113.17 27.3,113.44 26.73,113.77 26.19,114.16 25.69,114.59 25.24,115.08 24.83,115.61 24.48,116.17 24.18,116.77 23.95,117.4 23.77,118.05 23.66,118.71 23.62,119.38 23.64,120.05 23.73,120.72 23.88,121.38 24.1,122.02 24.38,122.64 24.72,123.23 25.11,123.78 25.56,124.3 26.06,124.76 26.6,125.18 27.19,125.54 27.8,125.84 28.45,126.09 29.11,126.27 29.79,126.38 30.48,126.42 31.13,126.4 31.78,126.32 32.42,126.18 33.04,125.99 33.64,125.73 34.22,125.42 34.77,125.06 35.28,124.65 35.76,124.19 36.19,123.69 36.57,123.15 36.9,122.58 37.18,121.97 37.4,121.35 37.56,120.7 37.66,120.05 37.7,119.38 37.68,118.71 37.6,118.05 37.46,117.39 37.26,116.75 37,116.14 36.68,115.54 36.31,114.98 35.88,114.46 35.41,113.97 34.9,113.53 34.35,113.14 33.76,112.8 33.14,112.51 32.5,112.29 31.84,112.12 31.16,112.02 30.48,111.97 29.8,111.99 29.12,112.08 28.44,112.23 27.79,112.43 27.15,112.7 26.55,113.03 25.97,113.41 25.43,113.84 24.94,114.33 24.48,114.85 24.08,115.42 23.74,116.02 23.44,116.65 23.21,117.31 23.04,117.99 22.93,118.68 22.89,119.38 22.91,120.08 23,120.78 23.15,121.47 23.36,122.14 23.64,122.79 23.97,123.41 24.36,124 24.81,124.55 25.3,125.06 25.84,125.52 26.42,125.93 27.04,126.29 27.69,126.59 28.36,126.82 29.06,127 29.76,127.11 30.48,127.15 31.16,127.13 31.83,127.05 32.5,126.91 33.15,126.72 33.79,126.47 34.4,126.16 34.98,125.8 35.53,125.39 36.04,124.94 36.51,124.44 36.94,123.9 37.31,123.33 37.64,122.72 37.91,122.09 38.13,121.43 38.29,120.76 38.39,120.07 38.43,119.38 38.41,118.69 38.33,118 38.19,117.31 37.99,116.65 37.73,116 37.42,115.37 37.05,114.78 36.63,114.22 36.17,113.69 35.66,113.21 35.1,112.78 34.52,112.39 33.9,112.05 33.25,111.77 32.58,111.55 31.89,111.39 31.19,111.29 30.48,111.25 29.77,111.27 29.06,111.35 28.37,111.49 27.68,111.7 27.02,111.96 26.38,112.28 25.77,112.66 25.2,113.09 24.66,113.56 24.17,114.09 23.73,114.65 23.33,115.25 22.99,115.89 22.7,116.55 22.48,117.24 22.31,117.94 22.21,118.66 22.16,119.38 22.19,120.11 22.27,120.83 22.42,121.54 22.63,122.24 22.9,122.92 23.23,123.57 23.61,124.19 24.05,124.78 24.54,125.32 25.07,125.83 25.65,126.28 26.26,126.69 26.91,127.04 27.59,127.33 28.29,127.56 29.01,127.73 29.74,127.83 30.48,127.88 31.18,127.86 31.88,127.78 32.57,127.64 33.25,127.45 33.91,127.21 34.55,126.9 35.16,126.55 35.75,126.15 36.29,125.69 36.8,125.2 37.27,124.66 37.69,124.09 38.06,123.48 38.38,122.85 38.65,122.19 38.87,121.5 39.02,120.81 39.12,120.1 39.16,119.38 39.14,118.66 39.06,117.95 38.92,117.24 38.72,116.55 38.47,115.87 38.16,115.22 37.8,114.6 37.39,114 36.93,113.44 36.42,112.92 35.88,112.45 35.29,112.02 34.67,111.64 34.02,111.31 33.34,111.04 32.65,110.82 31.94,110.66 31.21,110.56 30.48,110.52 29.75,110.54 29.02,110.62 28.3,110.76 27.59,110.96 26.9,111.22 26.24,111.54 25.6,111.91 24.99,112.33 24.42,112.8 23.89,113.31 23.4,113.87 22.97,114.47 22.58,115.1 22.24,115.77 21.96,116.46 21.74,117.17 21.58,117.89 21.48,118.63 21.44,119.38 21.46,120.13 21.54,120.87 21.69,121.61 21.89,122.33 22.16,123.03 22.48,123.71 22.85,124.36 23.28,124.98 23.76,125.56 24.29,126.1 24.86,126.6 25.47,127.05 26.12,127.44 26.79,127.78 27.5,128.07 28.22,128.29 28.96,128.46 29.72,128.56 30.48,128.6 31.2,128.58 31.93,128.51 32.64,128.38 33.34,128.19 34.03,127.94 34.69,127.65 35.33,127.3 35.94,126.9 36.52,126.46 37.07,125.97 37.57,125.44 38.03,124.87 38.45,124.26 38.81,123.63 39.13,122.96 39.39,122.28 39.6,121.57 39.75,120.85 39.85,120.12 39.89,119.38 39.87,118.64 39.79,117.91 39.65,117.18 39.46,116.46 39.21,115.76 38.91,115.09 38.55,114.43 38.15,113.81 37.69,113.22 37.2,112.66 36.65,112.15 36.07,111.68 35.46,111.26 34.81,110.89 34.13,110.56 33.43,110.3 32.71,110.08 31.98,109.93 31.23,109.83 30.48,109.79 29.73,109.81 28.98,109.89 28.24,110.03 27.51,110.23 26.79,110.48 26.1,110.79 25.44,111.15 24.8,111.56 24.2,112.03 23.64,112.54 23.11,113.09 22.64,113.68 22.2,114.31 21.82,114.97 21.5,115.66 21.22,116.37 21.01,117.11 20.85,117.85 20.75,118.61 20.71,119.38 20.73,120.15 20.81,120.91 20.95,121.67 21.15,122.41 21.41,123.14 21.73,123.84 22.1,124.52 22.52,125.16 22.99,125.78 23.51,126.35 24.07,126.88 24.67,127.37 25.31,127.81 25.99,128.2 26.69,128.53 27.42,128.81 28.16,129.03 28.93,129.19 29.7,129.29 30.48,129.33 31.22,129.31 31.97,129.24 32.7,129.11 33.42,128.92 34.13,128.68 34.82,128.39 35.49,128.05 36.12,127.66 36.73,127.22 37.31,126.74 37.84,126.21 38.34,125.65 38.79,125.05 39.2,124.42 39.56,123.75 39.87,123.07 40.13,122.36 40.33,121.63 40.48,120.89 40.58,120.14 40.61,119.38 40.59,118.62 40.52,117.87 40.38,117.12 40.2,116.38 39.95,115.66 39.66,114.96 39.31,114.28 38.91,113.63 38.46,113.01 37.97,112.43 37.44,111.88 36.86,111.38 36.25,110.91 35.61,110.5 34.93,110.13 34.23,109.82 33.51,109.56 32.77,109.35 32.01,109.2 31.25,109.1 30.48,109.07 29.71,109.09 28.94,109.16 28.18,109.3 27.43,109.49 26.7,109.74 25.98,110.04 25.29,110.39 24.63,110.8 24,111.25 23.41,111.76 22.85,112.3 22.33,112.88 21.86,113.51 21.44,114.16 21.07,114.85 20.75,115.56 20.48,116.3 20.27,117.05 20.12,117.82 20.02,118.6 19.98,119.38 20,120.17 20.08,120.95 20.22,121.72 20.42,122.48 20.67,123.23 20.98,123.96 21.34,124.66 21.75,125.33 22.21,125.97 22.72,126.58 23.28,127.14 23.87,127.67 24.5,128.15 25.17,128.57 25.87,128.95 26.59,129.28 27.34,129.55 28.11,129.76 28.89,129.92 29.68,130.02 30.48,130.06 31.24,130.04 32,129.97 32.76,129.84 33.5,129.66 34.23,129.42 34.94,129.14 35.63,128.8 36.29,128.42 36.92,127.99 37.53,127.51 38.09,126.99 38.62,126.44 39.11,125.84 39.56,125.22 39.96,124.56 40.31,123.87 40.62,123.16 40.87,122.43 41.07,121.68 41.21,120.92 41.3,120.15 41.34,119.38 41.32,118.6 41.25,117.83 41.12,117.07 40.93,116.31 40.69,115.57 40.4,114.85 40.06,114.15 39.67,113.47 39.23,112.83 38.75,112.21 38.22,111.64 37.66,111.1 37.05,110.6 36.41,110.15 35.74,109.74 35.05,109.38 34.32,109.07 33.58,108.82 32.82,108.62 32.05,108.47 31.27,108.37 30.48,108.34 29.69,108.36 28.91,108.43 28.13,108.57 27.36,108.75 26.61,109 25.87,109.29 25.16,109.64 24.47,110.04 23.82,110.48 23.2,110.97 22.61,111.51 22.06,112.08 21.55,112.7 21.09,113.35 20.68,114.03 20.32,114.74 20,115.47 19.74,116.23 19.54,117 19.39,117.79 19.29,118.58 19.26,119.38 19.28,120.18 19.35,120.98 19.49,121.77 19.68,122.55 19.93,123.32 20.23,124.06 20.58,124.79 20.98,125.48 21.44,126.15 21.94,126.78 22.48,127.38 23.07,127.94 23.69,128.45 24.35,128.92 25.04,129.34 25.76,129.71 26.51,130.03 27.28,130.29 28.06,130.5 28.86,130.65 29.67,130.75 30.48,130.78 31.26,130.77 32.04,130.69 32.81,130.57 33.57,130.39 34.31,130.16 35.04,129.88 35.75,129.56 36.44,129.18 37.1,128.76 37.73,128.29 38.32,127.78 38.88,127.23 39.41,126.64 39.89,126.02 40.33,125.37 40.72,124.69 41.06,123.98 41.36,123.25 41.61,122.5 41.8,121.73 41.94,120.96 42.03,120.17 42.07,119.38 42.05,118.59 41.97,117.8 41.85,117.02 41.67,116.25 41.43,115.49 41.15,114.74 40.82,114.02 40.43,113.33 40,112.66 39.53,112.02 39.01,111.41 38.45,110.84 37.86,110.31 37.23,109.82 36.56,109.38 35.87,108.98 35.15,108.63 34.41,108.33 33.65,108.08 32.87,107.88 32.08,107.74 31.28,107.65 30.48,107.61 29.68,107.63 28.88,107.71 28.08,107.83 27.3,108.02 26.53,108.25 25.77,108.54 25.04,108.88 24.33,109.27 23.65,109.71 23,110.19 22.39,110.72 21.81,111.28 21.27,111.89 20.78,112.53 20.32,113.2 19.92,113.91 19.56,114.64 19.26,115.39 19,116.16 18.8,116.95 18.66,117.75 18.57,118.57 18.53,119.38 18.55,120.2 18.63,121.01 18.76,121.82 18.94,122.61 19.18,123.4 19.48,124.16 19.82,124.9 20.22,125.62 20.66,126.31 21.15,126.97 21.68,127.6 22.26,128.18 22.87,128.73 23.52,129.23 24.21,129.69 24.92,130.1 25.67,130.46 26.43,130.77 27.22,131.03 28.02,131.24 28.83,131.38 29.65,131.48 30.48,131.51 31.27,131.49 32.07,131.42 32.85,131.3 33.63,131.13 34.39,130.9 35.14,130.63 35.87,130.31 36.58,129.94 37.26,129.52 37.91,129.07 38.53,128.56 39.12,128.02 39.68,127.44 40.19,126.83 40.66,126.18 41.09,125.51 41.48,124.8 41.81,124.07 42.1,123.33 42.34,122.56 42.53,121.78 42.67,120.99 42.76,120.18 42.79,119.38 42.77,118.57 42.7,117.77 42.58,116.97 42.4,116.19 42.18,115.41 41.9,114.65 41.57,113.91 41.2,113.19 40.78,112.5 40.31,111.84 39.8,111.21 39.25,110.61 38.66,110.05 38.04,109.53 37.38,109.05 36.7,108.61 35.98,108.22 35.24,107.88 34.48,107.58 33.71,107.34 32.91,107.15 32.11,107.01 31.3,106.92 30.48,106.88 29.66,106.9 28.85,106.98 28.04,107.1 27.24,107.28 26.45,107.51 25.68,107.79 24.93,108.13 24.2,108.51 23.5,108.93 22.83,109.41 22.19,109.92 21.58,110.48 21.01,111.08 20.48,111.71 20,112.37 19.55,113.07 19.16,113.8 18.81,114.55 18.51,115.32 18.26,116.11 18.07,116.91 17.93,117.73 17.84,118.55 17.8,119.38 17.82,120.21 17.9,121.04 18.02,121.86 18.21,122.67 18.44,123.47 18.73,124.25 19.06,125.01 19.45,125.75 19.88,126.46 20.36,127.14 20.89,127.79 21.45,128.41 22.06,128.99 22.7,129.52 23.37,130.02 24.08,130.46 24.82,130.87 25.58,131.22 26.36,131.52 27.16,131.77 27.98,131.97 28.8,132.11 29.64,132.2 30.48,132.24 31.29,132.22 32.09,132.15 32.89,132.03 33.69,131.86 34.46,131.64 35.23,131.38 35.98,131.06 36.7,130.7 37.41,130.29 38.08,129.84 38.73,129.35 39.34,128.82 39.92,128.25 40.47,127.64 40.97,127 41.44,126.33 41.86,125.63 42.23,124.91 42.56,124.16 42.85,123.4 43.08,122.62 43.27,121.82 43.4,121.01 43.49,120.2 43.52,119.38 43.5,118.56 43.43,117.74 43.31,116.93 43.14,116.13 42.92,115.34 42.65,114.56 42.33,113.81 41.96,113.07 41.55,112.36 41.09,111.67 40.59,111.02 40.05,110.39 39.47,109.8 38.86,109.25 38.21,108.74 37.53,108.27 36.82,107.84 36.09,107.46 35.33,107.13 34.55,106.84 33.76,106.6 32.95,106.41 32.14,106.28 31.31,106.19 30.48,106.16 29.65,106.18 28.82,106.25 28,106.37 27.18,106.54 26.38,106.77 25.6,107.05 24.83,107.37 24.08,107.74 23.36,108.16 22.67,108.62 22,109.13 21.37,109.68 20.77,110.26 20.21,110.89 19.69,111.54 19.22,112.23 18.78,112.95 18.4,113.69 18.06,114.46 17.77,115.25 17.53,116.05 17.33,116.87 17.2,117.7 17.11,118.54 17.08,119.38 17.09,120.22 17.17,121.06 17.29,121.9 17.47,122.72 17.7,123.53 17.98,124.33 18.31,125.11 18.68,125.87 19.11,126.6 19.58,127.3 20.09,127.98 20.65,128.62 21.24,129.22 21.87,129.79 22.54,130.31 23.24,130.8 23.96,131.23 24.72,131.63 25.49,131.97 26.29,132.27 27.11,132.51 27.94,132.7 28.78,132.84 29.63,132.93 30.48,132.97 31.3,132.95 32.12,132.88 32.93,132.76 33.74,132.6 34.53,132.38 35.31,132.12 36.08,131.81 36.82,131.46 37.54,131.06 38.24,130.62 38.91,130.14 39.54,129.61 40.15,129.05 40.72,128.45 41.26,127.82 41.75,127.16 42.21,126.47 42.62,125.75 42.99,125.01 43.31,124.25 43.59,123.47 43.82,122.67 44,121.86 44.13,121.04 44.22,120.21 44.25,119.38 44.23,118.55 44.16,117.72 44.04,116.89 43.87,116.08 43.66,115.27 43.39,114.48 43.08,113.71 42.72,112.96 42.32,112.22 41.87,111.52 41.38,110.84 40.85,110.19 40.28,109.58 39.67,109 39.04,108.46 38.36,107.96 37.66,107.5 36.94,107.08 36.18,106.7 35.41,106.38 34.62,106.1 33.81,105.86 32.99,105.68 32.16,105.55 31.32,105.46 30.48,105.43 29.64,105.45 28.8,105.52 27.96,105.64 27.13,105.81 26.32,106.03 25.52,106.3 24.73,106.61 23.97,106.98 23.23,107.39 22.52,107.84 21.83,108.34 21.17,108.88 20.55,109.45 19.97,110.06 19.42,110.71 18.91,111.39 18.44,112.1 18.02,112.84 17.64,113.6 17.31,114.38 17.02,115.19 16.79,116 16.6,116.84 16.47,117.68 16.38,118.53 16.35,119.38 16.37,120.23 16.44,121.09 16.56,121.93 16.73,122.77 16.96,123.59 17.23,124.41 17.55,125.2 17.92,125.97 18.33,126.72 18.79,127.45 19.3,128.14 19.84,128.81 20.42,129.44 21.04,130.03 21.7,130.59 22.39,131.1 23.11,131.57 23.85,132 24.63,132.39 25.42,132.72 26.23,133.01 27.06,133.25 27.9,133.44 28.76,133.57 29.62,133.66 30.48,133.69 31.31,133.68 32.14,133.61 32.97,133.5 33.79,133.33 34.59,133.12 35.39,132.87 36.17,132.57 36.93,132.22 37.67,131.83 38.38,131.39 39.07,130.92 39.73,130.41 40.36,129.85 40.96,129.27 41.52,128.65 42.05,127.99 42.53,127.31 42.98,126.6 43.38,125.86 43.75,125.1 44.06,124.32 44.33,123.53 44.56,122.72 44.73,121.89 44.86,121.06 44.94,120.22 44.97,119.38 44.96,118.54 44.89,117.7 44.77,116.86 44.61,116.03 44.4,115.21 44.14,114.41 43.83,113.62 43.48,112.85 43.09,112.1 42.65,111.38 42.17,110.68 41.65,110.01 41.09,109.37 40.49,108.77 39.86,108.2 39.2,107.67 38.51,107.17 37.79,106.72 37.04,106.31 36.27,105.95 35.49,105.63 34.68,105.35 33.86,105.13 33.03,104.95 32.18,104.82 31.33,104.74 30.48,104.7 29.63,104.72 28.77,104.79 27.93,104.91 27.09,105.07 26.26,105.29 25.45,105.55 24.65,105.86 23.87,106.22 23.11,106.62 22.38,107.06 21.67,107.55 20.99,108.08 20.35,108.64 19.74,109.24 19.16,109.88 18.62,110.55 18.12,111.25 17.66,111.98 17.25,112.74 16.88,113.51 16.56,114.31 16.28,115.13 16.05,115.96 15.87,116.8 15.74,117.66 15.65,118.52 15.62,119.38 15.64,120.24 15.71,121.11 15.83,121.96 16,122.81 16.21,123.65 16.48,124.48 16.79,125.28 17.15,126.07 17.56,126.84 18.01,127.58 18.5,128.3 19.04,128.98 19.61,129.64 20.22,130.26 20.86,130.84 